# Altium PCB LimePSB-RPCM_1v4.PcbDoc (part 8 of 12)
Units mm, origin at the board's own origin, x right, y up, seen from the top; angles counter-clockwise.
Board outline 170 x 110 mm, 6 copper layers (Top, L2, L3, L4, L5, Bottom), stack 1.583 mm thick; 1007 components, 587 nets, 4215 pads, 1928 vias.
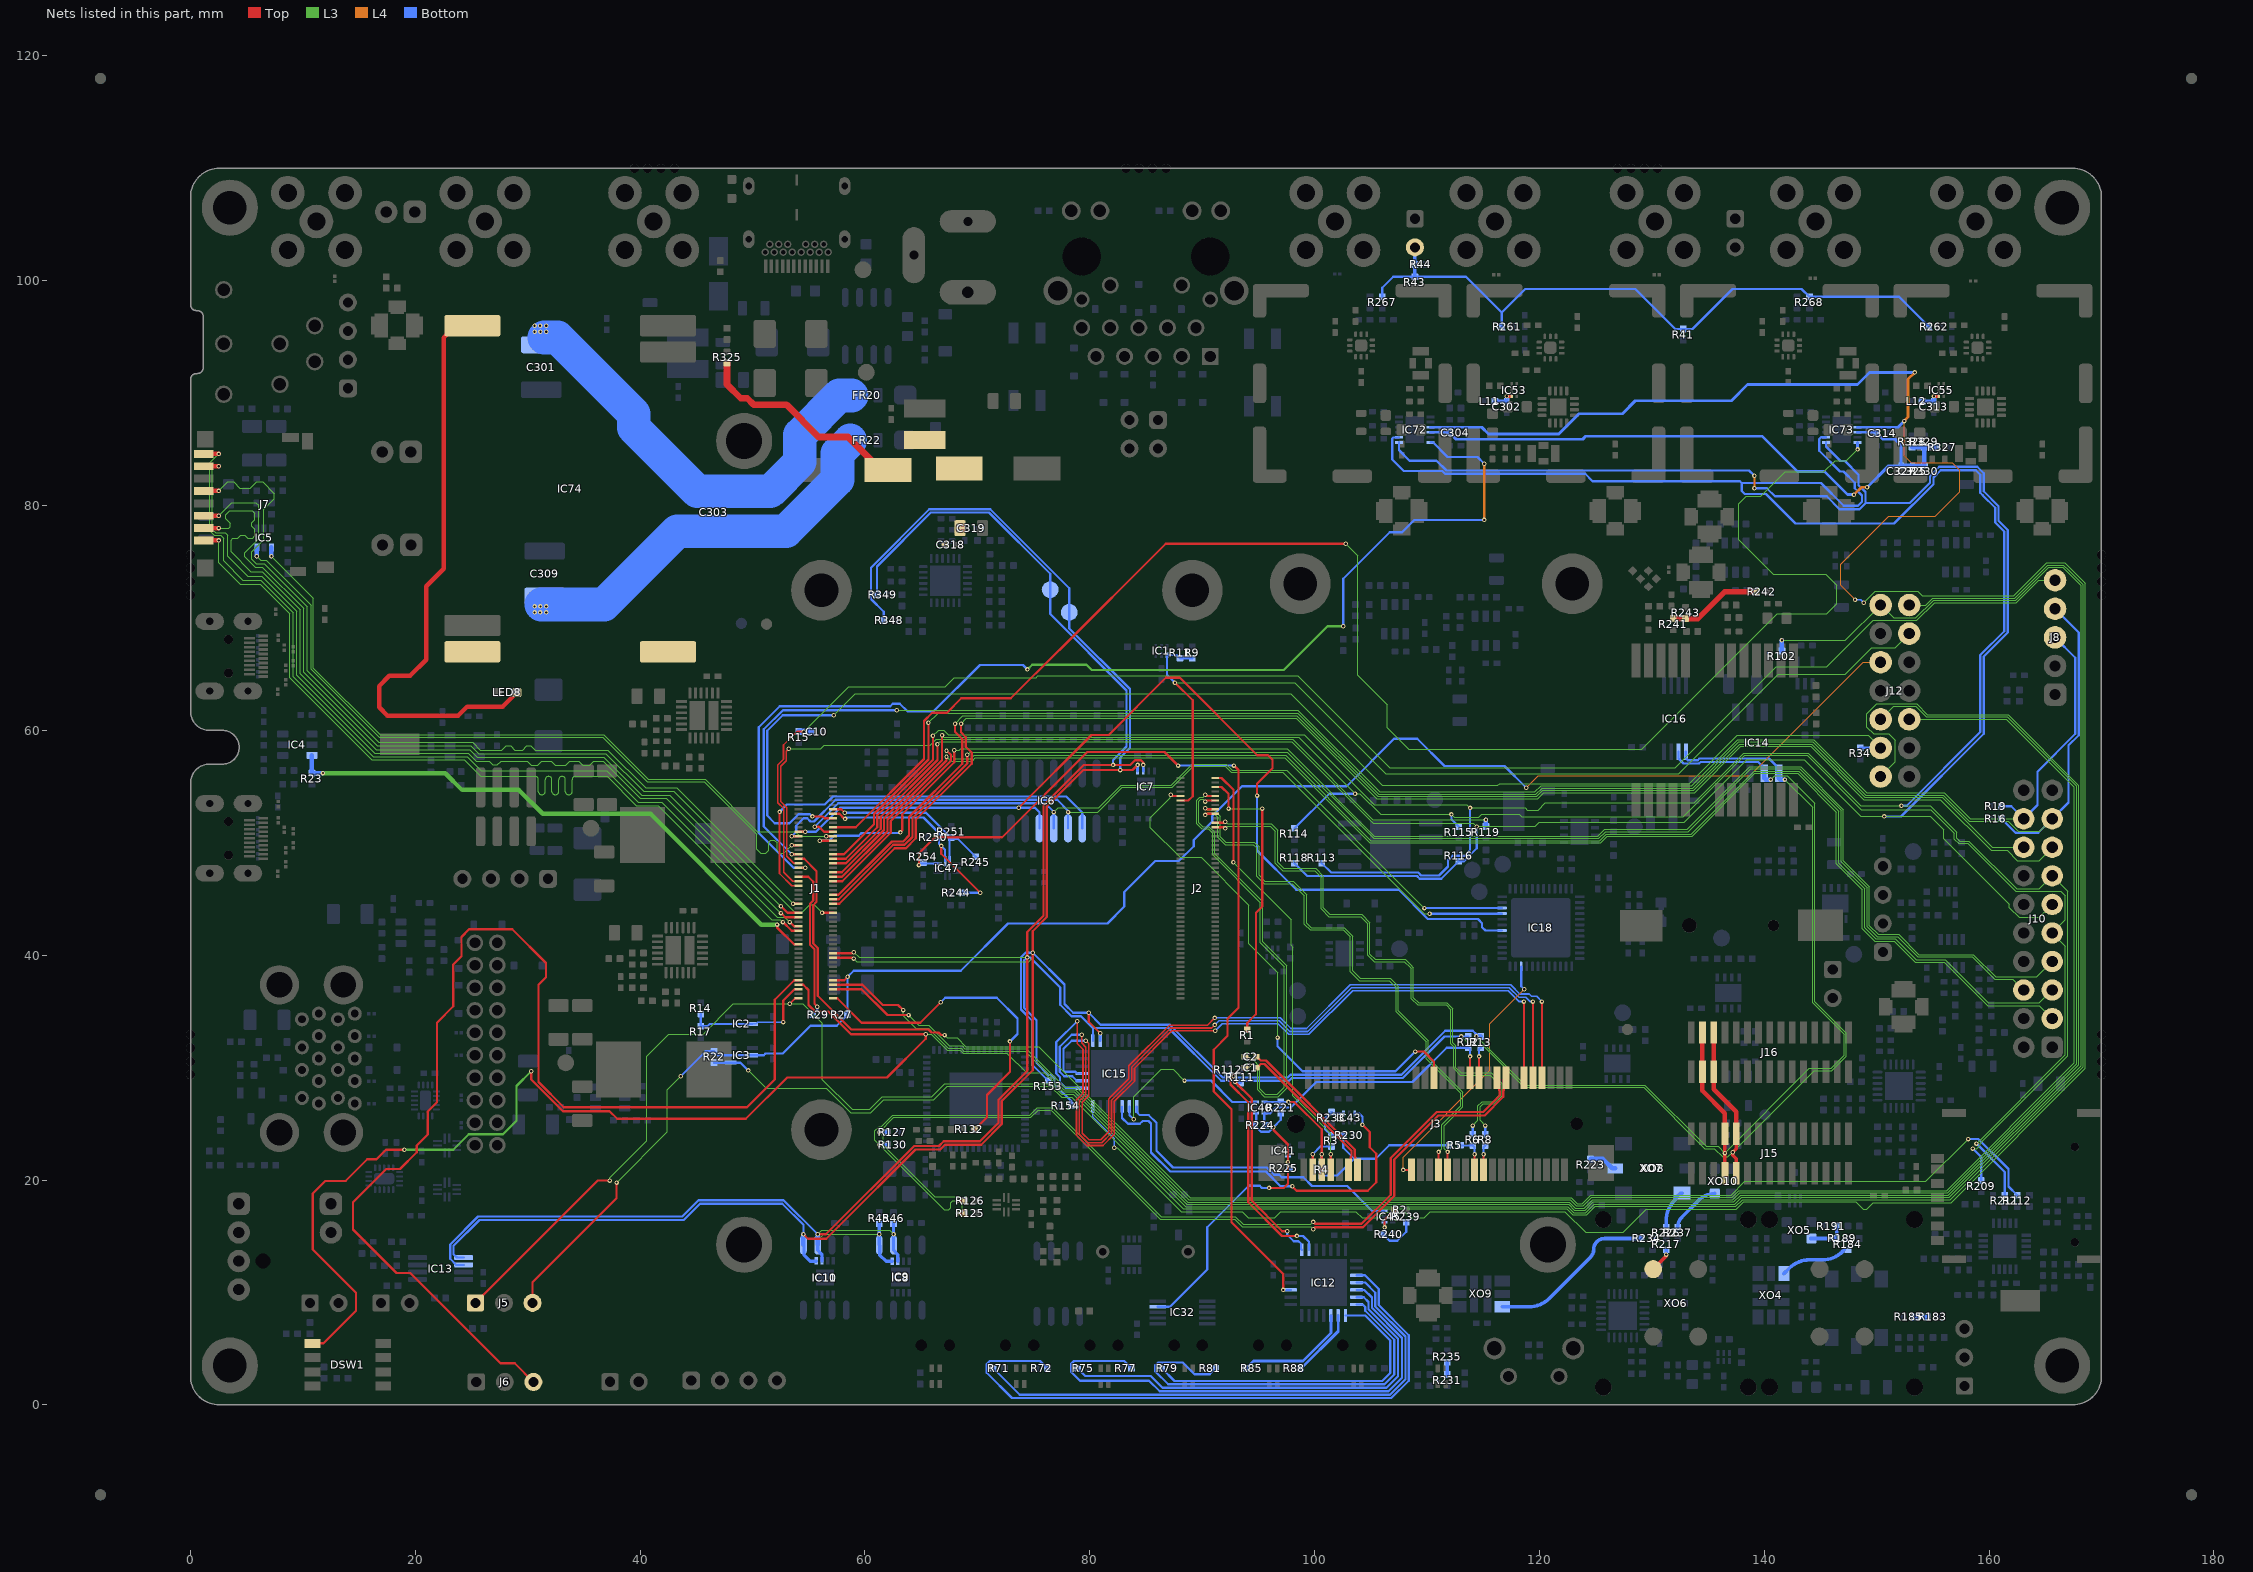
[diagram p12: the nets of this part, all layers, seen from the top]

## Via types
v1: diameter 0.4, hole 0.2, Top to Bottom, tented both sides, 1904 vias
v2: diameter 0.5, hole 0.2, Top to Bottom, tented both sides, 24 vias

## Nets (pads, with @x,y where several pads share a name; then routed paths per layer and width w, separated by ;. In a path a pad name is that pad's centre, name@x,y a point inside that pad or via, vN(x,y) a via of type N, cw(c..) or ccw(c..) an arc to the next point about the centre after c; other vN are vias at no path point) (continued)
NetR183_2: R183.2 R185.1 | length 1.1
  Bottom w0.4: R185.1@153.375,7.825 R183.2@154.5,7.825
NetR184_1: R184.1 XO4.6 | length 6
  Bottom w0.325: XO4.6@141.75,11.675 142.231,12.156 cw(c144.027,10.36) 144.027,12.9 145.173,12.9 ccw(c145.173,15.44) 146.969,13.644 147.125,13.8
NetR189_2: R189.2 R191.1 XO5.3 | length 3.4
  Bottom w0.325: XO5.3@144.125,14.8 R189.2@146.45,14.8 R191.1@146.45,15.9
NetR217_2: R217.2 XO6.3 | length 2.2
  Top w0.325: XO6.3@130.125,12.075 131.169,13.119 ccw(c130.913,13.375) v1@131.275,13.375
  Bottom w0.325: v1(131.274,13.374) R217.2@131.275,13.8
NetR223_1: R223.1 XO7.6 | length 2.5
  Bottom w0.4: R223.1@124.55,21.875 125.651,21.875 126.49,21.036 XO7.6@126.74,21.036
NetR226_2: R226.2 XO7.4 XO8.3 | length 3.6
  Bottom w0.325: R226.2@131.275,15.8 131.275,16.369 cw(c133.815,16.369) 132.019,18.165 132.103,18.249 132.103,18.399 132.54,18.836 XO7.4@132.69,18.836
NetR231_2: R231.2 R235.1 | length 1.1
  Bottom w0.325: R231.2@111.8,2.7 R235.1@111.8,3.8
NetR234_1: R234.1 XO9.6 | length 15.1
  Bottom w0.325: XO9.6@116.7,8.725 119.073,8.725 ccw(c119.073,11.265) 120.869,9.469 124.542,13.142 ccw(c123.859,13.825) 124.825,13.825 cw(c125.8,13.825) 125.8,14.8 R234.1@129.05,14.8
NetR237_2: R237.2 XO10.3 | length 4.7
  Bottom w0.325: R237.2@132.3,15.8 cw(c133.567,15.8) 132.671,16.696 134.192,18.217 cw(c135.6,16.808) XO10.3@135.6,18.8
NetR241_1: R241.1 R242.2 R243.2 | length 8.4
  Top w0.5: R241.1@131.9,69.95 R243.2@133,69.95 134.1,69.95 136.475,72.325 R242.2@139.275,72.325
PCIE_CLK_N: C1.1 J3.11 | length 13.6
  Top w0.2: C1.1@94.8,29.975 94.85,29.975 95.2,30.325 95.551,30.325 103.275,22.601 103.275,22.074 103.225,22.024 103.225,21.1 J3.11@103.025,20.9
PCIE_CLK_P: C2.1 J3.13 | length 14.1
  Top w0.2: C2.1@94.8,30.975 94.85,30.975 95.2,30.625 95.675,30.625 103.575,22.725 103.575,22.074 103.625,22.024 103.625,21.1 J3.13@103.825,20.9
PCIE_COEX1: J3.3 R3.1 | length 3.4
  Top w0.2: J3.3@99.825,20.9 v1(99.825,22.3)
  Bottom w0.2: v1(99.825,22.3) 100.5,22.975 R3.1@101.5,22.975
PCIE_COEX2: IC40.1 J3.5 R4.1 R221.2 | length 10.7
  Top w0.2: v1(97.675,26.95) 98.2,26.95 100.625,24.525 J3.5@100.625,20.9
  Bottom w0.2: IC40.1@95.525,26.95 R221.2@96.987,26.95 v1(97.675,26.95) ; v1(100.625,22.3) 100.625,21.525 R4.1@100.75,21.4
PCIE_LED_WLAN: IC15.3 J3.44 | length 73
  Top w0.15: v1(79.275,32.925) 79.275,32.2 79.65,31.825 79.65,27.604 79.075,27.029 79.075,24.071 79.821,23.325 81.071,23.325 81.925,24.179 81.925,27.104 83.725,28.904 83.725,30.054 87.196,33.525 90.85,33.525 v1(91.125,33.8)
  Top w0.2: J3.44@119.425,29.1 v1(119.425,35.875)
  Bottom w0.15: v1(91.125,33.8) 91.487,34.162 96.841,34.162 97.791,33.212 99.387,33.212 103.275,37.1 117.329,37.1 118.179,36.25 118.78,36.25 119.14,35.891 119.409,35.891 v1(119.425,35.875)
  Bottom w0.2: v1(79.275,32.925) 78.4,32.925 77.325,31.85 77.325,29.625 77.725,29.225 78.45,29.225 78.85,28.825 IC15.3@79.3,28.825
PCIE_LED_WPAN: IC15.4 J3.46 | length 72
  Top w0.15: v1(79.65,32.4) 79.9,32.15 79.9,27.5 79.325,26.925 79.325,24.175 79.925,23.575 80.968,23.575 81.675,24.282 81.675,27.207 81.821,27.354 83.475,29.007 83.475,30.157 87.093,33.775 90.475,33.775 v1(91.125,34.425)
  Top w0.2: J3.46@120.225,29.1 v1(120.225,35.875)
  Bottom w0.15: v1(91.125,34.425) 96.95,34.425 97.9,33.475 99.279,33.475 103.166,37.363 117.437,37.363 118.25,36.55 119.1,36.55 119.3,36.35 119.75,36.35 v1(120.225,35.875)
  Bottom w0.2: IC15.4@79.3,29.475 78.875,29.475 78.725,29.625 77.796,29.625 77.65,29.771 77.65,31.65 78.4,32.4 v1(79.65,32.4)
PCIE_LED_WWAN: IC15.2 J3.42 | length 75.3
  Top w0.15: v1(78.875,34.125) 78.875,32.15 79.4,31.625 79.4,27.707 78.825,27.132 78.825,23.968 79.718,23.075 81.175,23.075 82.175,24.075 82.175,27 83.975,28.8 83.975,29.95 87.3,33.275 v1(91.15,33.275)
  Top w0.2: J3.42@118.625,29.1 v1(118.625,35.875)
  Bottom w0.15: v1(91.15,33.275) 91.787,33.912 96.738,33.912 97.688,32.962 99.491,32.962 103.379,36.85 117.225,36.85 118.2,35.875 v1(118.625,35.875)
  Bottom w0.2: v1(78.875,34.125) 77.025,32.275 77.025,29.475 77.35,29.15 77.35,28.684 77.834,28.2 79.275,28.2 IC15.2@79.3,28.175
PCIE_PET0_N: J3.31 R5.1 R6.1 | length 3.3
  Top w0.2: J3.31@114.225,20.9 v1(114.225,22.3)
  Bottom w0.2: R5.1@112.975,23.075 R6.1@114.075,23.075 114.225,22.925 v1(114.225,22.3)
PCIE_PET0_P: J3.33 R8.1 | length 2.2
  Top w0.2: J3.33@115.025,20.9 v1(115.025,22.3)
  Bottom w0.2: v1(115.025,22.3) 115.025,22.925 R8.1@115.175,23.075
PCIE_PPS_IN: IC43.4 R3.2 R4.2 R5.2 R230.1 R233.1 | length 19.9
  Bottom w0.2: R4.2@100.625,20.4 102.025,20.4 103.525,21.9 ; R230.1@102.55,24.125 102.55,22.875 103.525,21.9 ; R230.1@102.575,23.975 R3.2@101.5,23.975 100.925,24.55 100.925,25.475 R233.1@101.5,26.05 101.638,25.913 IC43.4@102.575,25.913 ; R5.2@111.975,23.1 106.65,23.1 105.45,21.9 103.525,21.9
PCIE_PPS_IN_SEL: IC15.24 IC43.6 | length 35.5
  Top w0.2: v1(98.025,19.45) 98.025,19.409 98.384,19.05 104.725,19.05 105.475,19.8 105.475,22.35 104.9,22.925 104.9,24.275 v1(104.25,24.925)
  Bottom w0.2: IC15.24@82.875,26.55 82.875,25.524 83.399,25 84.45,25 84.7,25.25 85.225,25.25 85.45,25.025 85.45,22.45 87.15,20.75 95.675,20.75 96.975,19.45 v1(98.025,19.45) ; IC43.6@103.575,25.913 103.962,25.913 104.25,25.625 v1(104.25,24.925)
PCIE_PPS_OUT: IC32.9 IC40.4 IC41.3 R221.1 R224.1 R225.2 | length 29.9
  Top w0.2: v1(95.95,19.3) 97.25,19.3 97.625,19.675 v1(97.625,21.6) 97.625,23.163 96.336,24.451 v1(96.336,24.701)
  Bottom w0.2: IC32.9@86.05,8.725 87.125,8.725 90.45,12.05 90.45,15.799 94.151,19.5 95.125,19.5 95.325,19.3 v1(95.95,19.3) ; IC40.4@94.8,25.95 94.8,25.012 R224.1@94.662,24.875 95.238,24.3 95.935,24.3 v1(96.336,24.701) 96.987,25.352 R221.1@96.987,25.95 ; IC41.3@97.625,22.125 v1(97.625,21.6) 97.625,21.187 R225.2@97.762,21.05
PCIE_PPS_OUT_SEL: IC15.23 IC40.6 | length 16.4
  L3 w0.1: v1(83.9,25.4) 83.9,27.4 86.35,29.85 87.425,29.85 v1(88.425,28.85)
  Bottom w0.2: IC15.23@83.525,26.55 83.525,25.775 v1(83.9,25.4) ; v1(88.425,28.85) 90.775,28.85 92.675,26.95 IC40.6@94.8,26.95
PCIE_SMB_CLK: IC40.3 J3.30 R12.1 R224.2 | length 24.4
  Top w0.2: J3.30@113.825,29.1 v1(113.825,31)
  Bottom w0.2: R224.2@95.662,24.875 95.525,25.012 IC40.3@95.525,25.95 96.05,25.95 96.55,26.45 97.875,26.45 100.15,28.725 108.7,28.725 111.75,31.775 R12.1@113.675,31.775 113.825,31.625 v1(113.825,31)
PCIE_SMB_DATA: J3.32 R13.1 | length 2.7
  Top w0.2: J3.32@114.625,29.1 v1(114.625,31)
  Bottom w0.2: v1(114.625,31) 114.625,31.625 R13.1@114.775,31.775
PCIE_UIM8: IC18.46 J3.17 | length 23.4
  Top w0.2: v1(107.875,20.9) J3.17@108.625,20.9
  L4 w0.1: v1(107.875,20.9) 107.875,22.025 115.6,29.75 115.6,33.925 v1(118.65,36.975)
  Bottom w0.2: IC18.46@118.375,39 118.375,37.25 v1(118.65,36.975)
PCIE_UIMC4: IC45.4 R2.1 R239.1 R240.1 | length 6.6
  Top w0.2: v1(106.225,15.781) 106.225,16.45 R2.1@107.125,17.35
  Bottom w0.2: IC45.4@106.225,16.25 v1(106.225,15.781) 106.225,15.312 R240.1@106.087,15.175 106.662,14.6 107.36,14.6 108.162,15.402 R239.1@108.162,16.25
PCIE_UIMC4_SEL: IC15.22 IC45.6 | length 27.7
  Bottom w0.2: IC15.22@84.175,26.55 84.175,26.05 84.45,25.775 85.25,25.775 85.925,25.1 85.925,22.6 87.4,21.125 95.75,21.125 96.4,20.475 96.85,20.475 97.075,20.25 99,20.25 99.775,19.475 102.9,19.475 105.125,17.25 IC45.6@106.225,17.25
PCIE_USB_N: J3.36 R126.2 R130.1 | length 81.9
  Top w0.2: v1(68.25,18.15) R126.2@68.875,18.15 ; v1(99.875,16.275) 100.05,16.1 104.176,16.1 106.775,18.699 106.775,21.95 110.875,26.05 115,26.05 116.475,27.525 116.475,27.926 116.425,27.976 116.425,28.9 J3.36@116.225,29.1
  L3 w0.1: v1(68.25,18.15) 67.825,18.15 67.65,17.975 67.65,17.55 67.45,17.35 67.05,17.35 v1(61.25,23.15) 60.875,23.525 60.875,24.375 61.25,24.75 61.467,24.75 62.492,25.775 74.675,25.775 75.325,26.425 76.65,26.425 86.35,16.725 92.958,16.725 93.633,16.05 99.65,16.05 v1(99.875,16.275)
  Bottom w0.2: v1(61.25,23.15) R130.1@61.975,23.15
PCIE_USB_P: J3.38 R125.2 R127.1 | length 82.4
  Top w0.2: v1(68.252,17.063) R125.2@68.877,17.063 ; v1(99.875,15.625) 100.05,15.8 104.301,15.8 107.075,18.574 107.075,21.826 110.999,25.75 115.124,25.75 116.775,27.401 116.775,27.926 116.825,27.976 116.825,28.9 J3.38@117.025,29.1
  L3 w0.1: v1(68.252,17.063) 68.258,17.063 68.65,17.455 68.65,18.245 68.395,18.5 66.225,18.5 61.625,23.1 61.625,23.875 v1(61.25,24.25) 62.575,25.575 74.758,25.575 75.408,26.225 76.567,26.225 86.267,16.525 92.875,16.525 93.55,15.85 99.65,15.85 v1(99.875,15.625)
  Bottom w0.2: v1(61.25,24.25) R127.1@61.975,24.25
POE_IN+: C301.2 C303.2 FR20.2 IC74.4 LED8.A | length 90.1
  Top w0.4: IC74.4@23.7,96.125 22.525,94.95 22.525,74.375 20.975,72.825 20.975,66.3 19.525,64.85 17.675,64.85 16.775,63.95 16.775,62.05 17.5,61.325 23.825,61.325 24.625,62.125 27.775,62.125 LED8.A@29.025,63.375
  Bottom w3: C301.2@31.475,94.95 32.65,94.95 39.425,88.175 39.425,86.95 45.1,81.275 51.575,81.275 54.2,83.9 54.2,86.3 57.7,89.8 FR20.2@58.8,89.8
  other v1: 30.6,95.475 31.125,95.475 31.65,95.475 30.6,96 31.1,96 31.65,96
POE_IN-: C303.1 C309.2 FR22.2 IC74.6 | length 34.9
  Bottom w3: C309.2@31.2,71.2 36.775,71.2 43.3,77.725 52.975,77.725 57.55,82.3 57.55,84.65 58.7,85.8
  other v1: 30.6,70.5 31.1,70.5 31.65,70.5 30.6,71.025 31.125,71.025 31.65,71.025
POE_OUT+: C318.1 C319.2 C322.1 C323.1 IC74.1 L13.1 R325.1 | length 17.7
  Top w0.6: R325.1@47.725,92.675 47.725,90.776 48.951,89.55 49.525,89.55 50.1,88.975 53,88.975 55.875,86.1 58.5,86.1 C323.1@60.675,83.925
PTP_SYNC_SEL: IC12.3 IC47.10 R254.1 | length 86.1
  Top w0.2: v1(64.8,48.025) 64.8,49.075 66.225,50.5 72.2,50.5 79.775,58.075 86.65,58.075 v1(87.85,56.875) ; v1(92.825,56.875) 93.225,56.475 93.225,35.325 92.25,34.35 92.25,32.825 91.025,31.6 91.025,27.875 92.6,26.3 92.6,16.25 97.2,11.65 v1(97.2,10.225)
  Bottom w0.2: v1(64.8,48.025) 64.925,48.15 IC47.10@66.473,48.15 ; v1@87.8,56.925 v1(87.85,56.875) v1(92.825,56.875) ; v1(97.2,10.225) IC12.3@97.875,10.225
RF_SW_TDD: J18.2 R41.2 R43.1 R44.1 R261.2 R262.2 R267.2 R268.2 | length 60.2
  Bottom w0.2: R267.2@106.025,98.575 106.025,99.375 107,100.35 R43.1@108.925,100.35 113.462,100.35 116.643,97.168 ; R261.2@116.643,95.925 116.643,97.168 ; R262.2@154.643,95.925 151.993,98.575 R268.2@144.025,98.575 143.325,99.275 137.181,99.275 133.625,95.718 R41.2@132.806,95.718 132.082,95.718 128.525,99.275 118.75,99.275 116.643,97.168
  Bottom w0.3: R43.1@108.925,100.35 J18.2@108.925,102.975
RFPD_EN: IC15.28 IC72.9 IC73.9 | length 250.3
  L3 w0.1: v1(82.175,22.875) 82.197,22.853 82.447,22.853 88.125,17.175 93.575,17.175 94.1,16.65 96.45,16.65 97,17.2 103.675,17.2 104.25,16.625 105.7,16.625 106.225,17.15 108,17.15 108.525,16.625 109.75,16.625 110.3,17.175 122.275,17.175 124.1,15.35 127.467,15.35 129.517,17.4 137.517,17.4 138.167,18.05 148.158,18.05 148.808,17.4 149.12,17.4 149.325,17.605 149.325,17.608 149.717,18 156.625,18 168.55,29.925 168.55,73.075 166.714,74.911 165.128,74.911 162.192,71.975 154.05,71.975 153.65,72.375 149.875,72.375 v1(148.85,71.35)
  L4 w0.1: v1(148.075,71.625) 146.8,72.9 146.8,74.775 151.075,79.05 155.2,79.05 157.4,81.25 157.4,83.125 156.725,83.8 153.075,83.8 152.45,84.425 v1(152.45,87.525)
  L4 w0.25: v1(152.45,87.525) 152.8,87.875 152.8,91.25 v1(153.4,91.85)
  Bottom w0.15: IC15.28@80.275,26.55 80.275,25.6 82.175,23.7 v1(82.175,22.875) ; v1(148.075,71.625) 148.575,71.625 v1(148.85,71.35)
  Bottom w0.25: IC72.9@110.3,86.975 113.804,86.975 114.875,86.975 115.475,86.375 121.725,86.375 123.525,88.175 127.375,88.175 128.525,89.325 137.075,89.325 138.525,90.775 148.3,90.775 149.375,91.85 v1(153.4,91.85) ; IC73.9@148.3,86.975 151.804,86.975 151.9,86.975 v1(152.45,87.525)
RFPD_VREF: C304.1 C314.1 C325.2 C327.1 IC72.10 IC73.10 R327.1 R328.2 R329.1 R330.1 | length 57.6
  L4 w0.25: v1(147.975,80.975) 148.625,81.625 v1(149.15,81.625)
  Bottom w0.25: IC72.10@110.3,86.525 112.004,86.525 C304.1@112.015,86.536 ; C304.1@112.015,86.486 112.065,86.486 112.19,86.361 112.19,86.311 112.601,85.9 123.85,85.9 124.125,86.175 139.8,86.175 142.95,83.025 145.374,83.025 147.4,80.999 147.951,80.999 v1(147.975,80.975) ; IC73.10@148.3,86.525 150.004,86.525 C314.1@150.015,86.536 ; v1(149.15,81.625) 151.075,83.55 C327.1@152.175,83.55 152.175,85.375 151.65,85.9 150.565,85.9 150.185,86.28 150.185,86.33 150.06,86.455 C314.1@150.01,86.455
  Bottom w0.4: C327.1@152.175,83.55 C325.2@153.2,83.55 R330.1@154.25,83.55 R329.1@154.25,85.2 ; R328.2@153.15,85.2 R329.1@154.25,85.2 ; R327.1@155.35,85.2 R329.1@154.25,85.2
RFPDA_CONV: IC72.12 J1.41 | length 102
  Top w0.2: J1.41@54.085,47.775 v1(54.695,47.775)
  L3 w0.2: v1(74.45,65.425) 74.875,65.85 79.7,65.85 80.175,65.375 97.25,65.375 101.15,69.275 v1(102.55,69.275)
  L4 w0.2: v1(115.1,78.725) v1(115.1,83.725)
  Bottom w0.2: v1(54.695,47.775) 53.65,47.775 50.55,50.875 50.55,60.275 52.425,62.15 62.25,62.15 62.475,62.375 63.1,62.375 63.8,61.675 66.075,61.675 70.225,65.825 74.05,65.825 v1(74.45,65.425) ; v1(102.55,69.275) 102.55,73.5 106.675,77.625 107.775,77.625 108.875,78.725 v1(115.1,78.725) ; IC72.12@110.3,85.625 110.525,85.625 111.825,84.325 114.5,84.325 v1(115.1,83.725)
RFPDA_RFIN: C302.1 IC53.6 L11.1 | length 1.9
  Top w0.325: v1(117.1,89.725) IC53.6@117.475,89.725
  Bottom w0.325: L11.1@116.043,89.283 C302.1@117.093,89.283 117.096,89.287 117.096,89.721 v1(117.1,89.725)
RFPDB_CONV: IC73.12 J1.24 | length 150.5
  Top w0.2: J1.24@57.165,51.375 59.175,51.375 65.25,57.45 65.25,60.838 65.974,61.562 67.287,61.562 68.575,62.85 72.975,62.85 77.275,67.15 77.3,67.15 86.75,76.6 v1(102.775,76.6)
  L3 w0.1: v1(102.775,76.6) 103.85,75.525 103.85,64.9 106.475,62.275 106.475,60.225 108.375,58.325 123.125,58.325 129.1,58.325 141.175,70.4 145.575,70.4 146.45,71.275 146.45,72.925 145.475,73.9 140.8,73.9 137.75,76.95 137.75,80.175 138.4,80.825 139.7,80.825 141.875,83 145.3,83 146.3,84 147.3,84 v1(148.3,85)
  Bottom w0.25: v1(148.3,85) IC73.12@148.3,85.625
RFPDB_RFIN: C313.1 IC55.6 L12.1 | length 1.9
  Top w0.325: v1(155.1,89.725) IC55.6@155.475,89.725
  Bottom w0.325: L12.1@154.043,89.283 C313.1@155.093,89.283 155.096,89.287 155.096,89.721 v1(155.1,89.725)
RPI_AIP0: J1.96 J12.5 | length 165.4
  Top w0.2: J1.96@57.165,36.975 59.7,36.975 62,34.675 v1(63.875,34.675)
  L3 w0.1: v1(63.875,34.675) 64.8,33.75 65.675,33.75 67.5,31.925 68.641,31.925 68.891,31.675 74.349,31.675 76.099,29.925 77.774,28.25 78.774,28.25 88.799,18.225 122.756,18.225 123.281,17.7 123.894,17.7 124.644,18.45 137.136,18.45 137.736,19.05 156.225,19.05 167.55,30.375 167.55,54.975 161.543,60.982 J12.5@152.896,60.982
RPI_AIP1: J1.94 J12.6 | length 170
  Top w0.2: J1.94@57.165,37.375 59.775,37.375 61.575,35.575 62.946,35.575 v1(63.4,35.121)
  L3 w0.1: v1(63.4,35.121) 63.4,34.625 64.55,33.475 65.667,33.475 67.417,31.725 68.558,31.725 68.808,31.475 74.266,31.475 76.016,29.725 77.691,28.05 78.691,28.05 88.716,18.025 122.674,18.025 123.199,17.5 123.976,17.5 124.726,18.25 137.218,18.25 137.818,18.85 156.308,18.85 167.75,30.292 167.75,55.058 161.608,61.2 154.417,61.2 153.467,62.15 151.521,62.15 J12.6@150.354,60.982
RPI_BT_nDISABLE: J1.91 J6.3 | length 105.2
  Top w0.2: J6.3@30.499,2.038 28.837,3.7 27.575,3.7 19.539,11.736 18.314,11.736 14.45,15.6 14.45,18.026 17.399,20.975 18.624,20.975 20.125,22.476 20.125,23.075 21.1,24.05 21.1,26.1 21.749,26.749 21.925,26.925 21.925,34 23.375,35.45 23.375,39.175 24.1,39.9 24.1,41.625 24.775,42.3 28.626,42.3 31.625,39.301 31.625,38.05 30.95,37.375 30.95,28.725 33.2,26.475 49.5,26.475 51.975,28.95 51.975,36.05 53.7,37.775 J1.91@54.085,37.775
RPI_BTN1: J1.45 R29.1 | length 13.9
  Top w0.2: J1.45@54.085,46.975 54.95,46.975 55.395,46.53 55.395,44.871 55.1,44.576 55.1,40.925 55.5,40.525 55.5,35.675 v1(55.75,35.425)
  Bottom w0.2: R29.1@55.35,34.7 55.75,35.1 v1(55.75,35.425)
RPI_BTN2: C10.1 J1.47 J8.5 R15.2 | length 140.5
  Top w0.15: J1.47@54.085,46.575 53.575,46.575 52.775,47.375 52.775,53.046 52.25,53.571 52.25,56.925 52.75,57.425 52.75,58.7 53.95,59.9 v1(54.55,59.9)
  L3 w0.1: v1(54.55,59.9) 58.55,63.9 67.15,63.9 67.95,64.7 75.225,64.7 75.375,64.85 98.5,64.85 106.675,56.675 132.075,56.675 141.05,65.65 145.55,65.65 149.704,69.804 153.579,69.804 155.15,71.375 162.441,71.375 164.426,73.361 J8.5@165.875,73.361
  Bottom w0.5: R15.2@54.1,59.9 C10.1@55.2,59.9
RPI_EEPROM_nWP: J1.20 J12.4 R34.2 | length 122.1
  Top w0.2: v1(55.325,52.35) 56.25,52.35 56.425,52.175 J1.20@57.165,52.175
  L3 w0.1: v1(57.225,61.35) 59.125,63.25 97.867,63.25 106.017,55.1 116.275,55.1 116.45,55.275 133.308,55.275 137.583,59.55 149.243,59.55 J12.4@150.354,58.439
  Bottom w0.2: v1(55.325,52.35) 55.308,52.35 55.108,52.55 54.084,52.55 53.284,51.75 51.976,51.75 51.3,52.426 51.3,59.976 52.674,61.35 v1(57.225,61.35) ; R34.2@148.55,58.45 J12.4@150.343,58.45
RPI_GLOBAL_EN: J1.99 J5.1 J12.14 R102.1 | length 251.9
  Top w0.2: J5.1@25.345,9.075 36.22,19.95 v1(37.3,19.95) ; v1(53.3,35.675) 53.8,36.175 J1.99@54.085,36.175
  L3 w0.1: v1(37.3,19.95) 37.3,20.225 40.575,23.5 40.575,31 42.55,32.975 45.6,32.975 48.3,35.675 v1(53.3,35.675) 54.475,35.675 56.212,33.938 56.212,28.938 58.85,26.3 60.425,26.3 61.525,27.4 65.95,27.4 67.1,28.55 76.625,28.55 77.525,27.65 78.525,27.65 88.55,17.625 122.508,17.625 123.033,17.1 124.142,17.1 124.892,17.85 137.384,17.85 137.984,18.45 156.474,18.45 168.15,30.126 168.15,72.9 166.539,74.511 165.294,74.511 162.358,71.575 155.067,71.575 153.496,70.004 151.504,70.004 J12.14@150.354,71.154 147.225,68.025 v1(141.575,68.025)
  Bottom w0.4: R102.1@141.575,67.075 v1(141.575,68.025)
RPI_GPIO2: J1.58 J10.15 | length 129.3
  Top w0.2: J1.58@57.165,44.575 57.7,44.575 62.65,49.525 63.65,49.525 64.525,50.4 64.525,52.05 69.5,57.025 69.5,58.025 68.975,58.55 68.975,59.4 68.55,59.825 v1(68.55,60.6)
  L3 w0.1: v1(68.55,60.6) 69.025,61.075 98.375,61.075 105.529,53.921 119.846,53.921 120.399,54.474 133.807,54.474 137.908,58.575 144.142,58.575 148.867,53.85 155.675,53.85 160.2,49.325 161.6,49.325 162.5,48.425 164.445,48.425 J10.15@165.62,49.6
RPI_GPIO3: J1.56 J10.6 | length 131.4
  Top w0.2: J1.56@57.165,44.975 57.676,44.975 62.526,49.825 63.526,49.825 64.225,50.524 64.225,52.174 69.1,57.049 v1(69.1,57.825)
  L3 w0.1: v1(69.1,57.825) 69.35,58.075 97.567,58.075 105.242,50.4 125.283,50.4 125.883,51 133.225,51 138.8,56.575 143.15,56.575 146.85,52.875 146.85,48.317 149.15,46.017 149.15,42.542 150.042,41.65 151.867,41.65 153.667,39.85 158.517,39.85 160.492,37.875 162.105,37.875 J10.6@163.08,36.9
RPI_GPIO4: J1.54 J10.16 | length 125.2
  Top w0.2: J1.54@57.165,45.375 57.651,45.375 62.401,50.125 63.401,50.125 63.925,50.649 63.925,52.299 68.65,57.024 68.65,59.225 68.019,59.856 v1(68.019,60.6)
  L3 w0.1: v1(68.019,60.6) 68.719,61.3 98.433,61.3 105.611,54.121 119.764,54.121 120.316,54.674 133.724,54.674 137.825,58.775 144.225,58.775 148.95,54.05 155.85,54.05 160.3,49.6 J10.16@163.08,49.6
RPI_GPIO6: J1.30 J10.7 | length 134.5
  Top w0.2: v1(55.975,50.175) J1.30@57.165,50.175 ; v1(63.15,50.925) 63.325,51.1 63.325,52.547 67.952,57.174 67.952,58.223 v1(67.95,58.225)
  L3 w0.1: v1(67.95,58.225) 68.375,58.225 68.525,58.375 97.55,58.375 105.325,50.6 125.2,50.6 125.8,51.2 133.142,51.2 138.717,56.775 143.233,56.775 147.05,52.958 147.05,48.4 149.35,46.1 149.35,42.625 150.125,41.85 151.95,41.85 153.75,40.05 158.6,40.05 160.575,38.075 164.255,38.075 J10.7@165.62,39.44
  Bottom w0.2: v1(55.975,50.175) 56.8,50.175 57.25,50.625 59.45,50.625 59.7,50.875 63.1,50.875 v1(63.15,50.925)
RPI_GPIO22: J1.46 J10.3 | length 133.4
  Top w0.2: J1.46@57.165,46.975 57.963,46.975 62,51.012 62,52.071 67.252,57.323 v1(67.252,57.65)